# Altium PCB V3mycar.PcbDoc (part 2 of 4) (continued)
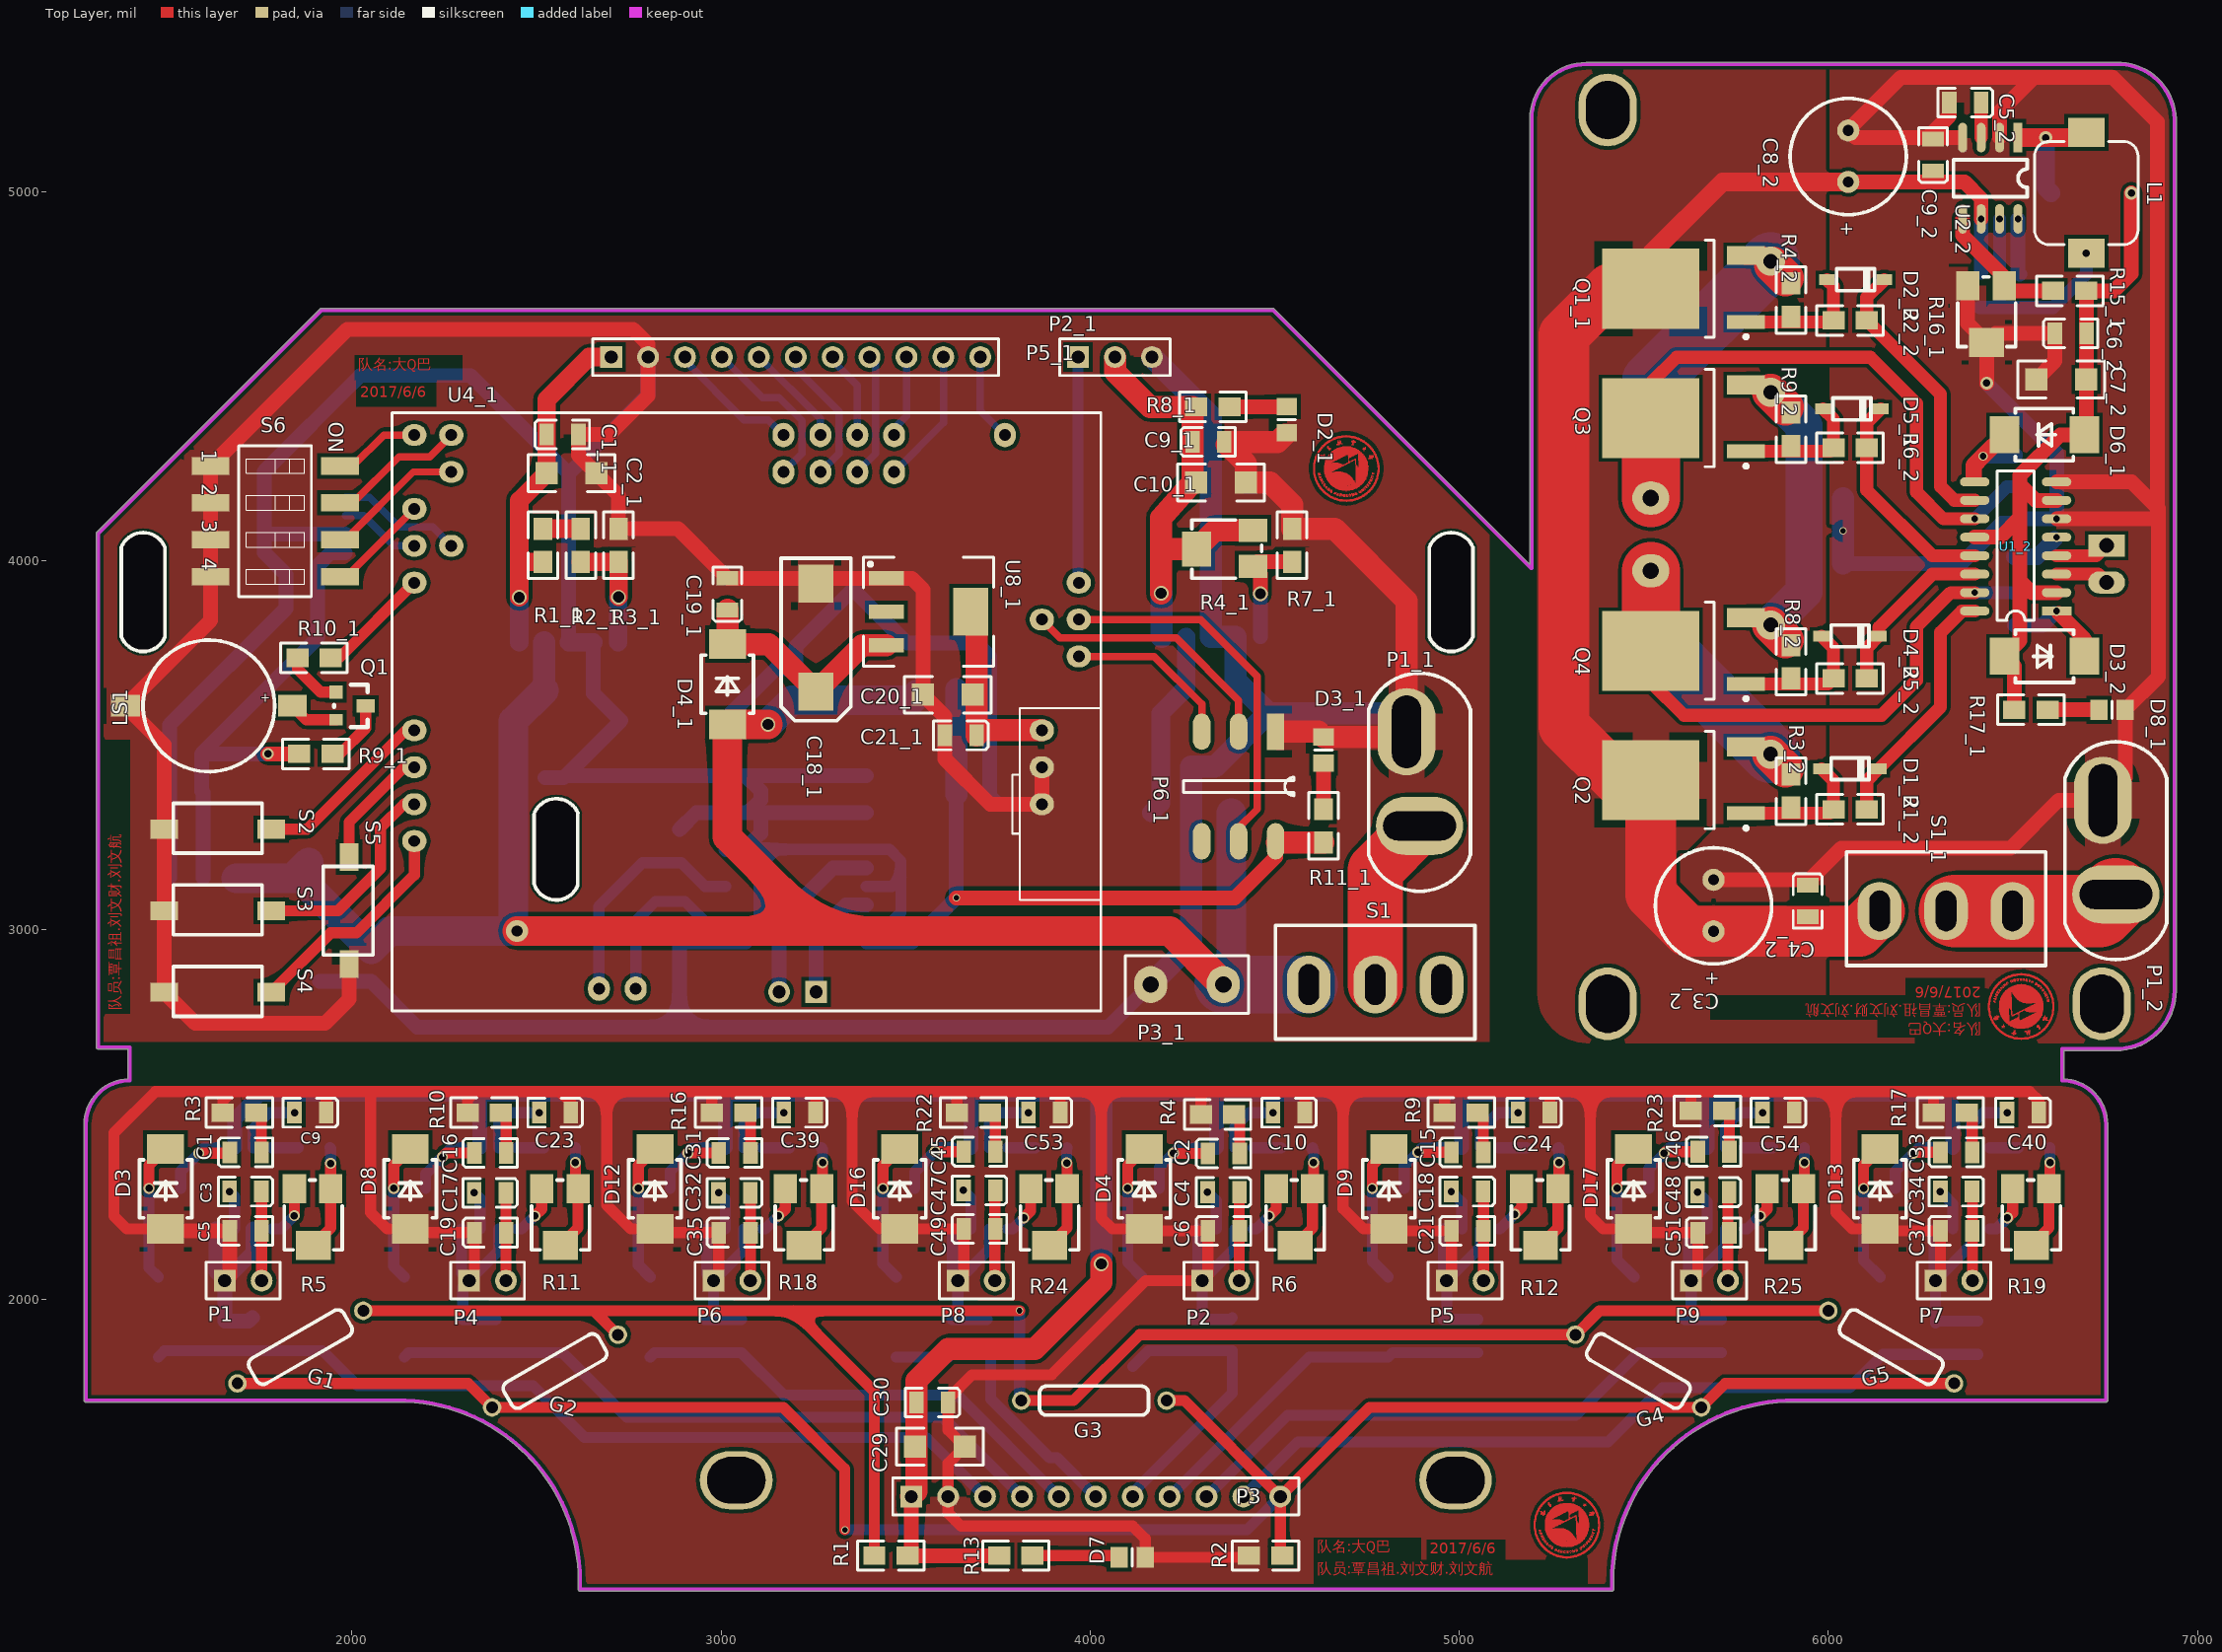
[diagram p0: Top Layer view]
## Nets (pads, with @x,y where several pads share a name; then routed paths per layer and width w, separated by ;. In a path a pad name is that pad's centre, name@x,y a point inside that pad or via, vN(x,y) a via of type N, cw(c..) or ccw(c..) an arc to the next point about the centre after c; other vN are vias at no path point) (continued)
; 4706.09,4204.13 4730.09,4204.13 ; 4706.09,4206.13 4732.09,4206.13 ; 4706.09,4207.13 4734.09,4207.13 ; 4706.09,4208.13 4735.09,4208.13 ; 4707.09,4322.13 4708.09,4322.13 ; 4707.09,4323.13 4709.09,4323.13 ; 4708.09,4181.13 4711.09,4181.13 ; 4708.09,4182.13 4710.09,4182.13 ; 4708.09,4271.13 4711.09,4271.13 ; 4708.09,4315.13 4714.09,4315.13 ; 4708.09,4324.13 4717.09,4324.13 ; 4708.09,4334.13 4725.09,4334.13 ; 4709.09,4167.13 4725.09,4167.13 ; 4709.09,4178.13 4710.09,4178.13 ; 4709.09,4179.13 4710.09,4179.13 ; 4709.09,4180.13 4710.09,4180.13 ; 4709.09,4272.13 4712.09,4272.13 ; 4709.09,4325.13 4710.09,4325.13 ; 4710.09,4176.13 4711.09,4176.13 ; 4710.09,4177.13 4711.09,4177.13 ; 4710.09,4316.13 4712.09,4316.13 ; 4710.09,4317.13 4713.09,4317.13 ; 4710.09,4318.13 4713.09,4318.13 ; 4710.09,4320.13 4711.09,4320.13 ; 4710.09,4321.13 4712.09,4321.13 ; 4710.09,4322.13 4712.09,4322.13 ; 4711.09,4180.13 4712.09,4180.13 ; 4711.09,4273.13 4715.09,4273.13 ; 4712.09,4178.13 4715.09,4178.13 ; 4712.09,4179.13 4713.09,4179.13 ; 4712.09,4319.13 4713.09,4319.13 ; 4712.09,4325.13 4715.09,4325.13 ; 4713.09,4177.13 4714.09,4177.13 ; 4713.09,4180.13 4715.09,4180.13 ; 4713.09,4181.13 4714.09,4181.13 ; 4713.09,4182.13 4714.09,4182.13 ; 4713.09,4183.13 4714.09,4183.13 ; 4713.09,4274.13 4716.09,4274.13 ; 4713.09,4320.13 4715.09,4320.13 ; 4713.09,4321.13 4715.09,4321.13 ; 4713.09,4322.13 4715.09,4322.13 ; 4713.09,4326.13 4715.09,4326.13 ; 4713.09,4327.13 4714.09,4327.13 ; 4714.09,4168.13 4728.09,4168.13 ; 4714.09,4179.13 4715.09,4179.13 ; 4714.09,4323.13 4715.09,4323.13 ; 4714.09,4333.13 4728.09,4333.13 ; 4715.09,4275.13 4719.09,4275.13 ; 4717.09,4169.13 4730.09,4169.13 ; 4717.09,4180.13 4722.09,4180.13 ; 4717.09,4181.13 4718.09,4181.13 ; 4717.09,4182.13 4718.09,4182.13 ; 4717.09,4183.13 4718.09,4183.13 ; 4717.09,4184.13 4718.09,4184.13 ; 4717.09,4276.13 4719.09,4276.13 ; 4717.09,4322.13 4719.09,4322.13 ; 4717.09,4323.13 4719.09,4323.13 ; 4717.09,4332.13 4730.09,4332.13 ; 4718.09,4263.13 4720.09,4263.13 ; 4718.09,4265.13 4720.09,4265.13 ; 4718.09,4266.13 4720.09,4266.13 ; 4718.09,4267.13 4720.09,4267.13 ; 4718.09,4268.13 4720.09,4268.13 ; 4718.09,4269.13 4720.09,4269.13 ; 4718.09,4270.13 4720.09,4270.13 ; 4718.09,4271.13 4720.09,4271.13 ; 4718.09,4272.13 4720.09,4272.13 ; 4718.09,4273.13 4719.09,4273.13 ; 4718.09,4274.13 4719.09,4274.13 ; 4719.09,4179.13 4720.09,4179.13 ; 4719.09,4185.13 4721.09,4185.13 ; 4719.09,4226.13 4748.09,4226.13 ; 4719.09,4227.13 4748.09,4227.13 ; 4719.09,4228.13 4748.09,4228.13 ; 4719.09,4229.13 4750.09,4229.13 ; 4719.09,4230.13 4749.09,4230.13 ; 4719.09,4231.13 4750.09,4231.13 ; 4719.09,4232.13 4750.09,4232.13 ; 4719.09,4233.13 4750.09,4233.13 ; 4719.09,4234.13 4750.09,4234.13 ; 4719.09,4235.13 4752.09,4235.13 ; 4719.09,4236.13 4751.09,4236.13 ; 4719.09,4237.13 4751.09,4237.13 ; 4719.09,4238.13 4752.09,4238.13 ; 4719.09,4239.13 4752.09,4239.13 ; 4719.09,4240.13 4752.09,4240.13 ; 4719.09,4241.13 4752.09,4241.13 ; 4719.09,4242.13 4752.09,4242.13 ; 4719.09,4243.13 4752.09,4243.13 ; 4719.09,4244.13 4752.09,4244.13 ; 4719.09,4245.13 4753.09,4245.13 ; 4719.09,4246.13 4753.09,4246.13 ; 4719.09,4247.13 4753.09,4247.13 ; 4719.09,4248.13 4753.09,4248.13 ; 4719.09,4249.13 4753.09,4249.13 ; 4719.09,4250.13 4753.09,4250.13 ; 4719.09,4251.13 4753.09,4251.13 ; 4719.09,4252.13 4726.09,4252.13 ; 4719.09,4253.13 4726.09,4253.13 ; 4719.09,4254.13 4725.09,4254.13 ; 4719.09,4255.13 4724.09,4255.13 ; 4719.09,4256.13 4724.09,4256.13 ; 4719.09,4257.13 4723.09,4257.13 ; 4719.09,4258.13 4722.09,4258.13 ; 4719.09,4259.13 4721.09,4259.13 ; 4719.09,4260.13 4721.09,4260.13 ; 4719.09,4261.13 4720.09,4261.13 ; 4719.09,4262.13 4720.09,4262.13 ; 4719.09,4264.13 4720.09,4264.13 ; 4720.09,4182.13 4723.09,4182.13 ; 4720.09,4209.13 4736.09,4209.13 ; 4720.09,4210.13 4737.09,4210.13 ; 4720.09,4211.13 4738.09,4211.13 ; 4720.09,4212.13 4739.09,4212.13 ; 4720.09,4213.13 4739.09,4213.13 ; 4720.09,4214.13 4741.09,4214.13 ; 4720.09,4215.13 4741.09,4215.13 ; 4720.09,4216.13 4742.09,4216.13 ; 4720.09,4217.13 4743.09,4217.13 ; 4720.09,4218.13 4743.09,4218.13 ; 4720.09,4219.13 4744.09,4219.13 ; 4720.09,4220.13 4745.09,4220.13 ; 4720.09,4221.13 4745.09,4221.13 ; 4720.09,4222.13 4747.09,4222.13 ; 4720.09,4223.13 4746.09,4223.13 ; 4720.09,4224.13 4747.09,4224.13 ; 4720.09,4225.13 4747.09,4225.13 ; 4721.09,4170.13 4732.09,4170.13 ; 4721.09,4181.13 4723.09,4181.13 ; 4721.09,4183.13 4722.09,4183.13 ; 4721.09,4331.13 4732.09,4331.13 ; 4723.09,4171.13 4734.09,4171.13 ; 4723.09,4330.13 4734.09,4330.13 ; 4726.09,4172.13 4736.09,4172.13 ; 4726.09,4274.13 4748.09,4274.13 ; 4726.09,4275.13 4748.09,4275.13 ; 4726.09,4276.13 4747.09,4276.13 ; 4726.09,4277.13 4747.09,4277.13 ; 4726.09,4278.13 4746.09,4278.13 ; 4726.09,4279.13 4746.09,4279.13 ; 4726.09,4280.13 4745.09,4280.13 ; 4726.09,4281.13 4745.09,4281.13 ; 4726.09,4282.13 4744.09,4282.13 ; 4726.09,4283.13 4743.09,4283.13 ; 4726.09,4284.13 4743.09,4284.13 ; 4726.09,4285.13 4742.09,4285.13 ; 4726.09,4286.13 4741.09,4286.13 ; 4726.09,4287.13 4740.09,4287.13 ; 4726.09,4288.13 4739.09,4288.13 ; 4726.09,4289.13 4739.09,4289.13 ; 4726.09,4290.13 4738.09,4290.13 ; 4726.09,4291.13 4737.09,4291.13 ; 4726.09,4329.13 4736.09,4329.13 ; 4727.09,4252.13 4753.09,4252.13 ; 4727.09,4253.13 4753.09,4253.13 ; 4727.09,4254.13 4753.09,4254.13 ; 4727.09,4255.13 4753.09,4255.13 ; 4727.09,4256.13 4753.09,4256.13 ; 4727.09,4257.13 4754.09,4257.13 ; 4727.09,4258.13 4752.09,4258.13 ; 4727.09,4259.13 4752.09,4259.13 ; 4727.09,4260.13 4752.09,4260.13 ; 4727.09,4261.13 4752.09,4261.13 ; 4727.09,4262.13 4752.09,4262.13 ; 4727.09,4263.13 4752.09,4263.13 ; 4727.09,4264.13 4752.09,4264.13 ; 4727.09,4265.13 4751.09,4265.13 ; 4727.09,4266.13 4751.09,4266.13 ; 4727.09,4267.13 4750.09,4267.13 ; 4727.09,4268.13 4751.09,4268.13 ; 4727.09,4269.13 4750.09,4269.13 ; 4727.09,4270.13 4750.09,4270.13 ; 4727.09,4271.13 4750.09,4271.13 ; 4727.09,4272.13 4749.09,4272.13 ; 4727.09,4273.13 4749.09,4273.13 ; 4728.09,4173.13 4737.09,4173.13 ; 4728.09,4187.13 4730.09,4187.13 ; 4728.09,4188.13 4729.09,4188.13 ; 4728.09,4189.13 4729.09,4189.13 ; 4728.09,4328.13 4737.09,4328.13 ; 4729.09,4186.13 4730.09,4186.13 ; 4730.09,4185.13 4733.09,4185.13 ; 4731.09,4174.13 4740.09,4174.13 ; 4731.09,4190.13 4733.09,4190.13 ; 4731.09,4191.13 4732.09,4191.13 ; 4731.09,4327.13 4739.09,4327.13 ; 4732.09,4175.13 4741.09,4175.13 ; 4732.09,4188.13 4734.09,4188.13 ; 4732.09,4189.13 4734.09,4189.13 ; 4732.09,4326.13 4741.09,4326.13 ; 4733.09,4186.13 4734.09,4186.13 ; 4733.09,4187.13 4734.09,4187.13 ; 4734.09,4193.13 4738.09,4193.13 ; 4735.09,4176.13 4743.09,4176.13 ; 4735.09,4192.13 4736.09,4192.13 ; 4735.09,4207.13 4736.09,4207.13 ; 4735.09,4325.13 4743.09,4325.13 ; 4736.09,4177.13 4744.09,4177.13 ; 4736.09,4190.13 4738.09,4190.13 ; 4736.09,4191.13 4737.09,4191.13 ; 4736.09,4324.13 4744.09,4324.13 ; 4737.09,4178.13 4745.09,4178.13 ; 4737.09,4189.13 4738.09,4189.13 ; 4737.09,4192.13 4739.09,4192.13 ; 4737.09,4323.13 4745.09,4323.13 ; 4738.09,4195.13 4739.09,4195.13 ; 4738.09,4196.13 4739.09,4196.13 ; 4738.09,4303.13 4741.09,4303.13 ; 4738.09,4304.13 4746.09,4304.13 ; 4739.09,4179.13 4747.09,4179.13 ; 4739.09,4193.13 4741.09,4193.13 ; 4739.09,4194.13 4740.09,4194.13 ; 4739.09,4306.13 4741.09,4306.13 ; 4739.09,4307.13 4740.09,4307.13 ; 4739.09,4322.13 4747.09,4322.13 ; 4740.09,4191.13 4741.09,4191.13 ; 4740.09,4192.13 4742.09,4192.13 ; 4740.09,4213.13 4741.09,4213.13 ; 4741.09,4180.13 4748.09,4180.13 ; 4741.09,4198.13 4743.09,4198.13 ; 4741.09,4199.13 4742.09,4199.13 ; 4741.09,4299.13 4742.09,4299.13 ; 4741.09,4300.13 4742.09,4300.13 ; 4741.09,4301.13 4742.09,4301.13 ; 4741.09,4305.13 4744.09,4305.13 ; 4741.09,4321.13 4748.09,4321.13 ; 4742.09,4181.13 4750.09,4181.13 ; 4742.09,4197.13 4743.09,4197.13 ; 4743.09,4196.13 4744.09,4196.13 ; 4743.09,4306.13 4744.09,4306.13 ; 4743.09,4319.13 4750.09,4319.13 ; 4743.09,4320.13 4749.09,4320.13 ; 4744.09,4182.13 4750.09,4182.13 ; 4744.09,4195.13 4746.09,4195.13 ; 4744.09,4201.13 4746.09,4201.13 ; 4744.09,4303.13 4746.09,4303.13 ; 4744.09,4307.13 4746.09,4307.13 ; 4745.09,4200.13 4748.09,4200.13 ; 4745.09,4308.13 4746.09,4308.13 ; 4745.09,4318.13 4752.09,4318.13 ; 4746.09,4183.13 4752.09,4183.13 ; 4746.09,4184.13 4752.09,4184.13 ; 4746.09,4204.13 4748.09,4204.13 ; 4746.09,4317.13 4753.09,4317.13 ; 4747.09,4199.13 4750.09,4199.13 ; 4747.09,4203.13 4748.09,4203.13 ; 4748.09,4185.13 4755.09,4185.13 ; 4748.09,4201.13 4749.09,4201.13 ; 4748.09,4202.13 4749.09,4202.13 ; 4748.09,4316.13 4754.09,4316.13 ; 4749.09,4186.13 4755.09,4186.13 ; 4749.09,4200.13 4750.09,4200.13 ; 4749.09,4207.13 4750.09,4207.13 ; 4749.09,4315.13 4755.09,4315.13 ; 4750.09,4187.13 4756.09,4187.13 ; 4750.09,4206.13 4752.09,4206.13 ; 4750.09,4208.13 4751.09,4208.13 ; 4750.09,4314.13 4757.09,4314.13 ; 4751.09,4188.13 4757.09,4188.13 ; 4751.09,4205.13 4753.09,4205.13 ; 4751.09,4209.13 4752.09,4209.13 ; 4751.09,4313.13 4757.09,4313.13 ; 4752.09,4189.13 4758.09,4189.13 ; 4752.09,4204.13 4754.09,4204.13 ; 4752.09,4207.13 4753.09,4207.13 ; 4752.09,4312.13 4758.09,4312.13 ; 4753.09,4190.13 4759.09,4190.13 ; 4753.09,4203.13 4754.09,4203.13 ; 4753.09,4212.13 4755.09,4212.13 ; 4753.09,4213.13 4754.09,4213.13 ; 4753.09,4278.13 4754.09,4278.13 ; 4753.09,4311.13 4759.09,4311.13 ; 4754.09,4191.13 4760.09,4191.13 ; 4754.09,4205.13 4755.09,4205.13 ; 4754.09,4211.13 4757.09,4211.13 ; 4754.09,4214.13 4755.09,4214.13 ; 4754.09,4277.13 4759.09,4277.13 ; 4754.09,4310.13 4760.09,4310.13 ; 4755.09,4192.13 4761.09,4192.13 ; 4755.09,4206.13 4756.09,4206.13 ; 4755.09,4215.13 4757.09,4215.13 ; 4755.09,4276.13 4756.09,4276.13 ; 4755.09,4279.13 4758.09,4279.13 ; 4755.09,4280.13 4756.09,4280.13 ; 4755.09,4284.13 4758.09,4284.13 ; 4755.09,4309.13 4761.09,4309.13 ; 4756.09,4193.13 4762.09,4193.13 ; 4756.09,4210.13 4759.09,4210.13 ; 4756.09,4212.13 4757.09,4212.13 ; 4756.09,4213.13 4760.09,4213.13 ; 4756.09,4214.13 4757.09,4214.13 ; 4756.09,4278.13 4759.09,4278.13 ; 4756.09,4285.13 4758.09,4285.13 ; 4756.09,4308.13 4761.09,4308.13 ; 4757.09,4194.13 4763.09,4194.13 ; 4757.09,4209.13 4758.09,4209.13 ; 4757.09,4218.13 4760.09,4218.13 ; 4757.09,4219.13 4758.09,4219.13 ; 4757.09,4220.13 4758.09,4220.13 ; 4757.09,4281.13 4760.09,4281.13 ; 4757.09,4307.13 4763.09,4307.13 ; 4758.09,4195.13 4763.09,4195.13 ; 4758.09,4221.13 4760.09,4221.13 ; 4758.09,4306.13 4763.09,4306.13 ; 4759.09,4196.13 4764.09,4196.13 ; 4759.09,4197.13 4765.09,4197.13 ; 4759.09,4212.13 4760.09,4212.13 ; 4759.09,4219.13 4761.09,4219.13 ; 4759.09,4225.13 4762.09,4225.13 ; 4759.09,4276.13 4760.09,4276.13 ; 4759.09,4279.13 4764.09,4279.13 ; 4759.09,4280.13 4764.09,4280.13 ; 4759.09,4283.13 4768.09,4283.13 ; 4759.09,4284.13 4760.09,4284.13 ; 4759.09,4285.13 4761.09,4285.13 ; 4759.09,4304.13 4765.09,4304.13 ; 4759.09,4305.13 4764.09,4305.13 ; 4760.09,4220.13 4763.09,4220.13 ; 4760.09,4282.13 4766.09,4282.13 ; 4760.09,4303.13 4766.09,4303.13 ; 4761.09,4198.13 4766.09,4198.13 ; 4761.09,4199.13 4766.09,4199.13 ; 4761.09,4216.13 4762.09,4216.13 ; 4761.09,4217.13 4763.09,4217.13 ; 4761.09,4228.13 4762.09,4228.13 ; 4761.09,4229.13 4762.09,4229.13 ; 4761.09,4230.13 4766.09,4230.13 ; 4761.09,4281.13 4767.09,4281.13 ; 4761.09,4284.13 4767.09,4284.13 ; 4761.09,4286.13 4765.09,4286.13 ; 4761.09,4301.13 4767.09,4301.13 ; 4761.09,4302.13 4766.09,4302.13 ; 4762.09,4200.13 4767.09,4200.13 ; 4762.09,4218.13 4763.09,4218.13 ; 4762.09,4219.13 4763.09,4219.13 ; 4762.09,4224.13 4766.09,4224.13 ; 4762.09,4231.13 4763.09,4231.13 ; 4762.09,4232.13 4763.09,4232.13 ; 4762.09,4278.13 4765.09,4278.13 ; 4762.09,4285.13 4764.09,4285.13 ; 4763.09,4201.13 4768.09,4201.13 ; 4763.09,4202.13 4768.09,4202.13 ; 4763.09,4229.13 4768.09,4229.13 ; 4763.09,4236.13 4769.09,4236.13 ; 4763.09,4239.13 4765.09,4239.13 ; 4763.09,4277.13 4764.09,4277.13 ; 4763.09,4299.13 4768.09,4299.13 ; 4763.09,4300.13 4768.09,4300.13 ; 4764.09,4203.13 4769.09,4203.13 ; 4764.09,4223.13 4765.09,4223.13 ; 4764.09,4238.13 4766.09,4238.13 ; 4764.09,4298.13 4769.09,4298.13 ; 4765.09,4204.13 4770.09,4204.13 ; 4765.09,4297.13 4770.09,4297.13 ; 4766.09,4205.13 4770.09,4205.13 ; 4766.09,4206.13 4771.09,4206.13 ; 4766.09,4237.13 4769.09,4237.13 ; 4766.09,4285.13 4767.09,4285.13 ; 4766.09,4295.13 4771.09,4295.13 ; 4766.09,4296.13 4770.09,4296.13 ; 4767.09,4207.13 4772.09,4207.13 ; 4767.09,4208.13 4772.09,4208.13 ; 4767.09,4282.13 4768.09,4282.13 ; 4767.09,4293.13 4772.09,4293.13 ; 4767.09,4294.13 4772.09,4294.13 ; 4768.09,4209.13 4772.09,4209.13 ; 4768.09,4210.13 4773.09,4210.13 ; 4768.09,4291.13 4773.09,4291.13 ; 4768.09,4292.13 4772.09,4292.13 ; 4769.09,4211.13 4774.09,4211.13 ; 4769.09,4212.13 4774.09,4212.13 ; 4769.09,4289.13 4774.09,4289.13 ; 4769.09,4290.13 4773.09,4290.13 ; 4770.09,4213.13 4775.09,4213.13 ; 4770.09,4214.13 4775.09,4214.13 ; 4770.09,4287.13 4775.09,4287.13 ; 4770.09,4288.13 4775.09,4288.13 ; 4771.09,4215.13 4775.09,4215.13 ; 4771.09,4216.13 4776.09,4216.13 ; 4771.09,4285.13 4776.09,4285.13 ; 4771.09,4286.13 4775.09,4286.13 ; 4772.09,4217.13 4776.09,4217.13 ; 4772.09,4218.13 4777.09,4218.13 ; 4772.09,4219.13 4777.09,4219.13 ; 4772.09,4282.13 4777.09,4282.13 ; 4772.09,4283.13 4777.09,4283.13 ; 4772.09,4284.13 4776.09,4284.13 ; 4773.09,4220.13 4777.09,4220.13 ; 4773.09,4221.13 4778.09,4221.13 ; 4773.09,4280.13 4778.09,4280.13 ; 4773.09,4281.13 4777.09,4281.13 ; 4774.09,4222.13 4778.09,4222.13 ; 4774.09,4223.13 4779.09,4223.13 ; 4774.09,4277.13 4779.09,4277.13 ; 4774.09,4278.13 4779.09,4278.13 ; 4774.09,4279.13 4778.09,4279.13 ; 4775.09,4224.13 4779.09,4224.13 ; 4775.09,4225.13 4779.09,4225.13 ; 4775.09,4226.13 4779.09,4226.13 ; 4775.09,4227.13 4780.09,4227.13 ; 4775.09,4228.13 4780.09,4228.13 ; 4775.09,4274.13 4780.09,4274.13 ; 4775.09,4275.13 4779.09,4275.13 ; 4775.09,4276.13 4779.09,4276.13 ; 4776.09,4229.13 4780.09,4229.13 ; 4776.09,4230.13 4780.09,4230.13 ; 4776.09,4231.13 4781.09,4231.13 ; 4776.09,4271.13 4781.09,4271.13 ; 4776.09,4272.13 4780.09,4272.13 ; 4776.09,4273.13 4780.09,4273.13 ; 4777.09,4232.13 4781.09,4232.13 ; 4777.09,4233.13 4781.09,4233.13 ; 4777.09,4234.13 4781.09,4234.13 ; 4777.09,4235.13 4781.09,4235.13 ; 4777.09,4236.13 4782.09,4236.13 ; 4777.09,4237.13 4782.09,4237.13 ; 4777.09,4264.13 4782.09,4264.13 ; 4777.09,4265.13 4782.09,4265.13 ; 4777.09,4266.13 4781.09,4266.13 ; 4777.09,4267.13 4781.09,4267.13 ; 4777.09,4268.13 4781.09,4268.13 ; 4777.09,4269.13 4781.09,4269.13 ; 4777.09,4270.13 4781.09,4270.13 ; 4778.09,4238.13 4782.09,4238.13 ; 4778.09,4239.13 4782.09,4239.13 ; 4778.09,4240.13 4782.09,4240.13 ; 4778.09,4241.13 4782.09,4241.13 ; 4778.09,4242.13 4783.09,4242.13 ; 4778.09,4243.13 4783.09,4243.13 ; 4778.09,4244.13 4783.09,4244.13 ; 4778.09,4245.13 4783.09,4245.13 ; 4778.09,4255.13 4783.09,4255.13 ; 4778.09,4257.13 4783.09,4257.13 ; 4778.09,4258.13 4783.09,4258.13 ; 4778.09,4259.13 4783.09,4259.13 ; 4778.09,4260.13 4782.09,4260.13 ; 4778.09,4261.13 4782.09,4261.13 ; 4778.09,4262.13 4782.09,4262.13 ; 4778.09,4263.13 4782.09,4263.13 ; 4779.09,4246.13 4783.09,4246.13 ; 4779.09,4247.13 4783.09,4247.13 ; 4779.09,4248.13 4783.09,4248.13 ; 4779.09,4249.13 4783.09,4249.13 ; 4779.09,4250.13 4783.09,4250.13 ; 4779.09,4251.13 4783.09,4251.13 ; 4779.09,4252.13 4783.09,4252.13 ; 4779.09,4253.13 4783.09,4253.13 ; 4779.09,4254.13 4783.09,4254.13 ; 4779.09,4256.13 4783.09,4256.13 ; 5202,1378 5207,1378 ; 5202,1379 5207,1379 ; 5202,1380 5206,1380 ; 5202,1381 5206,1381 ; 5202,1382 5206,1382 ; 5202,1383 5206,1383 ; 5202,1384 5206,1384 ; 5202,1385 5206,1385 ; 5202,1386 5206,1386 ; 5202,1387 5206,1387 ; 5202,1388 5206,1388 ; 5202,1389 5206,1389 ; 5202,1390 5206,1390 ; 5202,1391 5206,1391 ; 5202,1392 5206,1392 ; 5202,1393 5206,1393 ; 5202,1394 5206,1394 ; 5202,1395 5206,1395 ; 5202,1396 5206,1396 ; 5202,1397 5206,1397 ; 5202,1398 5207,1398 ; 5202,1399 5207,1399 ; 5203,1373 5208,1373 ; 5203,1374 5207,1374 ; 5203,1375 5207,1375 ; 5203,1376 5207,1376 ; 5203,1377 5207,1377 ; 5203,1400 5207,1400 ; 5203,1401 5207,1401 ; 5203,1402 5207,1402 ; 5203,1403 5207,1403 ; 5203,1404 5208,1404 ; 5204,1367 5209,1367 ; 5204,1368 5209,1368 ; 5204,1369 5208,1369 ; 5204,1370 5208,1370 ; 5204,1371 5208,1371 ; 5204,1372 5208,1372 ; 5204,1405 5208,1405 ; 5204,1406 5208,1406 ; 5204,1407 5208,1407 ; 5204,1408 5208,1408 ; 5204,1409 5209,1409 ; 5204,1410 5209,1410 ; 5205,1364 5210,1364 ; 5205,1365 5209,1365 ; 5205,1366 5209,1366 ; 5205,1411 5209,1411 ; 5205,1412 5209,1412 ; 5205,1413 5210,1413 ; 5206,1360 5211,1360 ; 5206,1361 5211,1361 ; 5206,1362 5210,1362 ; 5206,1363 5210,1363 ; 5206,1414 5210,1414 ; 5206,1415 5210,1415 ; 5206,1416 5210,1416 ; 5207,1358 5212,1358 ; 5207,1359 5211,1359 ; 5207,1417 5211,1417 ; 5207,1418 5211,1418 ; 5207,1419 5212,1419 ; 5208,1355 5213,1355 ; 5208,1356 5213,1356 ; 5208,1357 5212,1357 ; 5208,1420 5212,1420 ; 5208,1421 5213,1421 ; 5208,1422 5213,1422 ; 5209,1353 5214,1353 ; 5209,1354 5213,1354 ; 5209,1423 5213,1423 ; 5209,1424 5214,1424 ; 5210,1350 5215,1350 ; 5210,1351 5215,1351 ; 5210,1352 5215,1352 ; 5210,1425 5215,1425 ; 5210,1426 5215,1426 ; 5210,1427 5215,1427 ; 5211,1349 5216,1349 ; 5211,1428 5216,1428 ; 5212,1347 5217,1347 ; 5212,1348 5217,1348 ; 5212,1429 5217,1429 ; 5212,1430 5217,1430 ; 5213,1345 5218,1345 ; 5213,1346 5218,1346 ; 5213,1431 5217,1431 ; 5213,1432 5218,1432 ; 5214,1344 5219,1344 ; 5214,1433 5219,1433 ; 5214,1434 5219,1434 ; 5215,1342 5220,1342 ; 5215,1343 5219,1343 ; 5215,1374 5217,1374 ; 5215,1375 5221,1375 ; 5215,1435 5220,1435 ; 5216,1340 5221,1340 ; 5216,1341 5221,1341 ; 5216,1370 5219,1370 ; 5216,1371 5218,1371 ; 5216,1436 5221,1436 ; 5217,1339 5222,1339 ; 5217,1366 5224,1366 ; 5217,1372 5219,1372 ; 5217,1437 5221,1437 ; 5217,1438 5222,1438 ; 5218,1337 5224,1337 ; 5218,1338 5223,1338 ; 5218,1373 5219,1373 ; 5218,1439 5223,1439 ; 5218,1440 5224,1440 ; 5219,1336 5224,1336 ; 5219,1362 5220,1362 ; 5219,1363 5221,1363 ; 5219,1364 5223,1364 ; 5219,1365 5220,1365 ; 5219,1371 5222,1371 ; 5219,1374 5221,1374 ; 5219,1425 5222,1425 ; 5219,1441 5224,1441 ; 5220,1334 5226,1334 ; 5220,1335 5225,1335 ; 5220,1358 5222,1358 ; 5220,1442 5225,1442 ; 5221,1333 5227,1333 ; 5221,1359 5224,1359 ; 5221,1417 5222,1417 ; 5221,1418 5222,1418 ; 5221,1419 5223,1419 ; 5221,1420 5223,1420 ; 5221,1424 5225,1424 ; 5221,1443 5226,1443 ; 5221,1444 5227,1444 ; 5222,1332 5228,1332 ; 5222,1354 5224,1354 ; 5222,1355 5225,1355 ; 5222,1365 5224,1365 ; 5222,1421 5223,1421 ; 5222,1422 5224,1422 ; 5222,1423 5224,1423 ; 5222,1445 5228,1445 ; 5223,1331 5229,1331 ; 5223,1356 5224,1356 ; 5223,1357 5224,1357 ; 5223,1446 5228,1446 ; 5224,1330 5230,1330 ; 5224,1358 5226,1358 ; 5224,1360 5226,1360 ; 5224,1420 5227,1420 ; 5224,1421 5229,1421 ; 5224,1425 5225,1425 ; 5224,1447 5230,1447 ; 5225,1329 5231,1329 ; 5225,1349 5226,1349 ; 5225,1350 5226,1350 ; 5225,1351 5227,1351 ; 5225,1356 5228,1356 ; 5225,1359 5226,1359 ; 5225,1361 5226,1361 ; 5225,1417 5226,1417 ; 5225,1418 5232,1418 ; 5225,1419 5227,1419 ; 5225,1448 5231,1448 ; 5226,1328 5232,1328 ; 5226,1348 5228,1348 ; 5226,1352 5231,1352 ; 5226,1415 5228,1415 ; 5226,1416 5229,1416 ; 5226,1422 5229,1422 ; 5226,1423 5229,1423 ; 5226,1449 5232,1449 ; 5227,1327 5233,1327 ; 5227,1357 5228,1357 ; 5227,1414 5228,1414 ; 5227,1450 5233,1450 ; 5227,1451 5234,1451 ; 5228,1325 5235,1325 ; 5228,1326 5234,1326 ; 5228,1353 5230,1353 ; 5228,1417 5232,1417 ; 5228,1419 5230,1419 ; 5228,1420 5230,1420 ; 5228,1424 5230,1424 ; 5228,1452 5235,1452 ; 5229,1344 5230,1344 ; 5229,1425 5230,1425 ; 5230,1323 5237,1323 ; 5230,1324 5236,1324 ; 5230,1345 5233,1345 ; 5230,1349 5231,1349 ; 5230,1350 5231,1350 ; 5230,1351 5231,1351 ; 5230,1426 5233,1426 ; 5230,1453 5236,1453 ; 5230,1454 5237,1454 ; 5231,1341 5233,1341 ; 5231,1346 5233,1346 ; 5231,1421 5233,1421 ; 5231,1422 5233,1422 ; 5231,1425 5233,1425 ; 5232,1322 5238,1322 ; 5232,1342 5233,1342 ; 5232,1344 5233,1344 ; 5232,1376 5244,1376 ; 5232,1380 5252,1380 ; 5232,1381 5253,1381 ; 5232,1382 5256,1382 ; 5232,1383 5257,1383 ; 5232,1384 5259,1384 ; 5232,1385 5261,1385 ; 5232,1386 5263,1386 ; 5232,1387 5266,1387 ; 5232,1388 5267,1388 ; 5232,1389 5269,1389 ; 5232,1390 5271,1390 ; 5232,1391 5274,1391 ; 5232,1392 5275,1392 ; 5232,1393 5277,1393 ; 5232,1394 5279,1394 ; 5232,1395 5281,1395 ; 5232,1396 5283,1396 ; 5232,1397 5285,1397 ; 5232,1423 5233,1423 ; 5232,1424 5233,1424 ; 5232,1455 5239,1455 ; 5233,1321 5239,1321 ; 5233,1343 5235,1343 ; 5233,1347 5234,1347 ; 5233,1374 5293,1374 ; 5233,1375 5241,1375 ; 5233,1377 5246,1377 ; 5233,1378 5248,1378 ; 5233,1379 5249,1379 ; 5233,1398 5282,1398 ; 5233,1399 5281,1399 ; 5233,1400 5279,1400 ; 5233,1401 5277,1401 ; 5233,1402 5246,1402 ; 5233,1403 5247,1403 ; 5233,1456 5239,1456 ; 5234,1320 5241,1320 ; 5234,1338 5237,1338 ; 5234,1344 5236,1344 ; 5234,1371 5298,1371 ; 5234,1372 5297,1372 ; 5234,1373 5296,1373 ; 5234,1404 5250,1404 ; 5234,1405 5251,1405 ; 5234,1406 5253,1406 ; 5234,1407 5255,1407 ; 5234,1457 5241,1457 ; 5235,1319 5242,1319 ; 5235,1368 5302,1368 ; 5235,1369 5301,1369 ; 5235,1370 5300,1370 ; 5235,1408 5257,1408 ; 5235,1409 5259,1409 ; 5235,1410 5261,1410 ; 5235,1412 5236,1412 ; 5235,1458 5242,1458 ; 5236,1337 5239,1337 ; 5236,1339 5240,1339 ; 5236,1366 5304,1366 ; 5236,1367 5303,1367 ; 5236,1411 5263,1411 ; 5237,1318 5244,1318 ; 5237,1334 5238,1334 ; 5237,1335 5238,1335 ; 5237,1336 5239,1336 ; 5237,1363 5307,1363 ; 5237,1364 5306,1364 ; 5237,1365 5305,1365 ; 5237,1412 5265,1412 ; 5237,1413 5267,1413 ; 5237,1414 5269,1414 ; 5237,1416 5238,1416 ; 5237,1459 5244,1459 ; 5238,1317 5245,1317 ; 5238,1340 5240,1340 ; 5238,1362 5308,1362 ; 5238,1415 5271,1415 ; 5238,1460 5245,1460 ; 5239,1316 5247,1316 ; 5239,1338 5240,1338 ; 5239,1360 5309,1360 ; 5239,1361 5308,1361 ; 5239,1416 5273,1416 ; 5239,1417 5275,1417 ; 5239,1418 5277,1418 ; 5239,1461 5248,1461 ; 5240,1332 5241,1332 ; 5240,1358 5310,1358 ; 5240,1359 5310,1359 ; 5240,1419 5278,1419 ; 5240,1445 5242,1445 ; 5240,1448 5244,1448 ; 5241,1315 5248,1315 ; 5241,1333 5242,1333 ; 5241,1356 5312,1356 ; 5241,1357 5311,1357 ; 5241,1420 5281,1420 ; 5241,1421 5282,1421 ; 5241,1444 5242,1444 ; 5241,1446 5244,1446 ; 5241,1449 5243,1449 ; 5241,1462 5248,1462 ; 5242,1314 5250,1314 ; 5242,1334 5245,1334 ; 5242,1335 5245,1335 ; 5242,1355 5313,1355 ; 5242,1422 5285,1422 ; 5242,1443 5246,1443 ; 5242,1447 5244,1447 ; 5242,1463 5250,1463 ; 5243,1329 5245,1329 ; 5243,1330 5246,1330 ; 5243,1331 5244,1331 ; 5243,1354 5313,1354 ; 5243,1375 5292,1375 ; 5243,1423 5286,1423 ; 5243,1442 5246,1442 ; 5243,1444 5245,1444 ; 5243,1445 5244,1445 ; 5244,1313 5253,1313 ; 5244,1333 5245,1333 ; 5244,1352 5315,1352 ; 5244,1353 5314,1353 ; 5244,1424 5289,1424 ; 5244,1425 5290,1425 ; 5244,1439 5248,1439 ; 5244,1440 5246,1440 ; 5244,1441 5245,1441 ; 5244,1464 5252,1464 ; 5245,1312 5254,1312 ; 5245,1331 5246,1331 ; 5245,1351 5315,1351 ; 5245,1426 5293,1426 ; 5245,1465 5254,1465 ; 5246,1332 5247,1332 ; 5246,1350 5315,1350 ; 5246,1427 5295,1427 ; 5246,1441 5249,1441 ; 5246,1444 5249,1444 ; 5247,1311 5257,1311 ; 5247,1333 5248,1333 ; 5247,1349 5316,1349 ; 5247,1376 5289,1376 ; 5247,1428 5320,1428 ; 5247,1440 5248,1440 ; 5247,1442 5249,1442 ; 5247,1443 5249,1443 ; 5247,1466 5257,1466 ; 5248,1310 5258,1310 ; 5248,1326 5249,1326 ; 5248,1327 5249,1327 ; 5248,1328 5249,1328 ; 5248,1329 5250,1329 ; 5248,1347 5281,1347 ; 5248,1348 5317,1348 ; 5248,1429 5322,1429 ; 5248,1430 5334,1430 ; 5248,1467 5258,1467 ; 5249,1325 5250,1325 ; 5249,1330 5253,1330 ; 5250,1324 5252,1324 ; 5250,1327 5252,1327 ; 5250,1345 5281,1345 ; 5250,1346 5280,1346 ; 5250,1377 5287,1377 ; 5250,1402 5273,1402 ; 5250,1431 5333,1431 ; 5250,1432 5332,1432 ; 5251,1309 5261,1309 ; 5251,1325 5253,1325 ; 5251,1326 5253,1326 ; 5251,1468 5261,1468 ; 5252,1344 5281,1344 ; 5252,1433 5330,1433 ; 5252,1434 5330,1434 ; 5253,1308 5264,1308 ; 5253,1328 5254,1328 ; 5253,1329 5254,1329 ; 5253,1343 5281,1343 ; 5253,1469 5264,1469 ; 5254,1342 5280,1342 ; 5254,1403 5270,1403 ; 5254,1435 5328,1435 ; 5255,1307 5268,1307 ; 5255,1341 5280,1341 ; 5255,1436 5327,1436 ; 5255,1470 5268,1470 ; 5256,1378 5283,1378 ; 5257,1306 5270,1306 ; 5257,1340 5327,1340 ; 5257,1437 5326,1437 ; 5257,1471 5270,1471 ; 5258,1320 5259,1320 ; 5258,1339 5325,1339 ; 5258,1438 5325,1438 ; 5259,1321 5260,1321 ; 5259,1322 5262,1322 ; 5260,1305 5276,1305 ; 5260,1323 5261,1323 ; 5260,1324 5261,1324 ; 5260,1338 5323,1338 ; 5260,1439 5322,1439 ; 5260,1472 5276,1472 ; 5261,1337 5321,1337 ; 5261,1440 5321,1440 ; 5262,1304 5282,1304 ; 5262,1319 5263,1319 ; 5262,1320 5264,1320 ; 5262,1321 5264,1321 ; 5262,1379 5278,1379 ; 5262,1473 5282,1473 ; 5263,1322 5264,1322 ; 5263,1336 5320,1336 ; 5263,1441 5320,1441 ; 5264,1323 5265,1323 ; 5265,1303 5318,1303 ; 5265,1335 5317,1335 ; 5266,1317 5267,1317 ; 5266,1318 5269,1318 ; 5266,1442 5318,1442 ; 5266,1453 5268,1453 ; 5266,1454 5268,1454 ; 5266,1474 5317,1474 ; 5267,1319 5268,1319 ; 5267,1334 5315,1334 ; 5267,1443 5315,1443 ; 5268,1317 5271,1317 ; 5268,1320 5269,1320 ; 5268,1455 5273,1455 ; 5268,1456 5273,1456 ; 5268,1459 5272,1459 ; 5268,1460 5272,1460 ; 5268,1464 5271,1464 ; 5269,1302 5314,1302 ; 5269,1321 5271,1321 ; 5269,1454 5271,1454 ; 5269,1457 5273,1457 ; 5269,1458 5273,1458 ; 5269,1461 5271,1461 ; 5269,1462 5270,1462 ; 5269,1463 5271,1463 ; 5270,1315 5271,1315 ; 5270,1316 5271,1316 ; 5270,1318 5271,1318 ; 5270,1319 5271,1319 ; 5270,1320 5271,1320 ; 5270,1333 5312,1333 ; 5270,1444 5313,1444 ; 5270,1453 5271,1453 ; 5270,1475 5313,1475 ; 5272,1332 5310,1332 ; 5272,1445 5310,1445 ; 5272,1453 5274,1453 ; 5272,1454 5273,1454 ; 5272,1476 5310,1476 ; 5273,1301 5310,1301 ; 5273,1459 5277,1459 ; 5273,1464 5276,1464 ; 5274,1314 5275,1314 ; 5274,1315 5275,1315 ; 5274,1316 5275,1316 ; 5274,1317 5275,1317 ; 5274,1456 5275,1456 ; 5274,1457 5277,1457 ; 5274,1460 5277,1460 ; 5275,1319 5277,1319 ; 5275,1320 5277,1320 ; 5275,1458 5277,1458 ; 5275,1461 5277,1461 ; 5275,1463 5276,1463 ; 5276,1317 5277,1317 ; 5276,1318 5277,1318 ; 5276,1462 5277,1462 ; 5277,1314 5279,1314 ; 5277,1315 5278,1315 ; 5277,1316 5278,1316 ; 5277,1331 5306,1331 ; 5277,1446 5306,1446 ; 5277,1455 5281,1455 ; 5279,1300 5304,1300 ; 5279,1316 5280,1316 ; 5279,1317 5280,1317 ; 5279,1318 5280,1318 ; 5279,1319 5280,1319 ; 5279,1456 5282,1456 ; 5279,1477 5303,1477 ; 5280,1330 5302,1330 ; 5281,1447 5304,1447 ; 5282,1315 5284,1315 ; 5282,1316 5284,1316 ; 5282,1342 5288,1342 ; 5282,1343 5286,1343 ; 5282,1344 5286,1344 ; 5282,1345 5285,1345 ; 5282,1346 5286,1346 ; 5282,1347 5286,1347 ; 5283,1314 5284,1314 ; 5283,1317 5284,1317 ; 5283,1318 5288,1318 ; 5283,1341 5287,1341 ; 5284,1313 5288,1313 ; 5284,1398 5287,1398 ; 5285,1399 5289,1399 ; 5286,1314 5288,1314 ; 5286,1315 5288,1315 ; 5287,1317 5288,1317 ; 5287,1345 5289,1345 ; 5287,1346 5289,1346 ; 5288,1343 5289,1343 ; 5288,1344 5289,1344 ; 5288,1400 5291,1400 ; 5289,1299 5290,1299 ; 5289,1341 5295,1341 ; 5289,1347 5294,1347 ; 5289,1401 5293,1401 ; 5290,1342 5295,1342 ; 5290,1343 5296,1343 ; 5290,1346 5293,1346 ; 5291,1313 5293,1313 ; 5291,1314 5295,1314 ; 5291,1315 5294,1315 ; 5291,1316 5294,1316 ; 5291,1317 5295,1317 ; 5291,1318 5292,1318 ; 5291,1328 5292,1328 ; 5291,1344 5295,1344 ; 5291,1345 5293,1345 ; 5291,1478 5292,1478 ; 5292,1299 5293,1299 ; 5292,1402 5295,1402 ; 5293,1403 5297,1403 ; 5294,1313 5296,1313 ; 5294,1318 5295,1318 ; 5294,1345 5302,1345 ; 5296,1346 5299,1346 ; 5296,1404 5299,1404 ; 5296,1424 5312,1424 ; 5296,1425 5314,1425 ; 5296,1427 5318,1427 ; 5297,1341 5299,1341 ; 5297,1342 5300,1342 ; 5297,1344 5302,1344 ; 5297,1347 5300,1347 ; 5297,1405 5301,1405 ; 5297,1406 5302,1406 ; 5297,1407 5305,1407 ; 5297,1408 5306,1408 ; 5297,1409 5299,1409 ; 5297,1410 5298,1410 ; 5297,1411 5298,1411 ; 5297,1412 5298,1412 ; 5297,1413 5298,1413 ; 5297,1414 5298,1414 ; 5297,1415 5298,1415 ; 5297,1416 5299,1416 ; 5297,1417 5299,1417 ; 5297,1418 5300,1418 ; 5297,1419 5302,1419 ; 5297,1420 5304,1420 ; 5297,1421 5306,1421 ; 5297,1422 5308,1422 ; 5297,1423 5310,1423 ; 5297,1426 5316,1426 ; 5298,1343 5301,1343 ; 5299,1314 5300,1314 ; 5299,1315 5300,1315 ; 5299,1316 5300,1316 ; 5299,1317 5300,1317 ; 5299,1318 5300,1318 ; 5300,1319 5302,1319 ; 5300,1341 5301,1341 ; 5300,1346 5302,1346 ; 5301,1304 5320,1304 ; 5301,1313 5302,1313